# KiCad board MainPCB.kicad_pcb (continued)
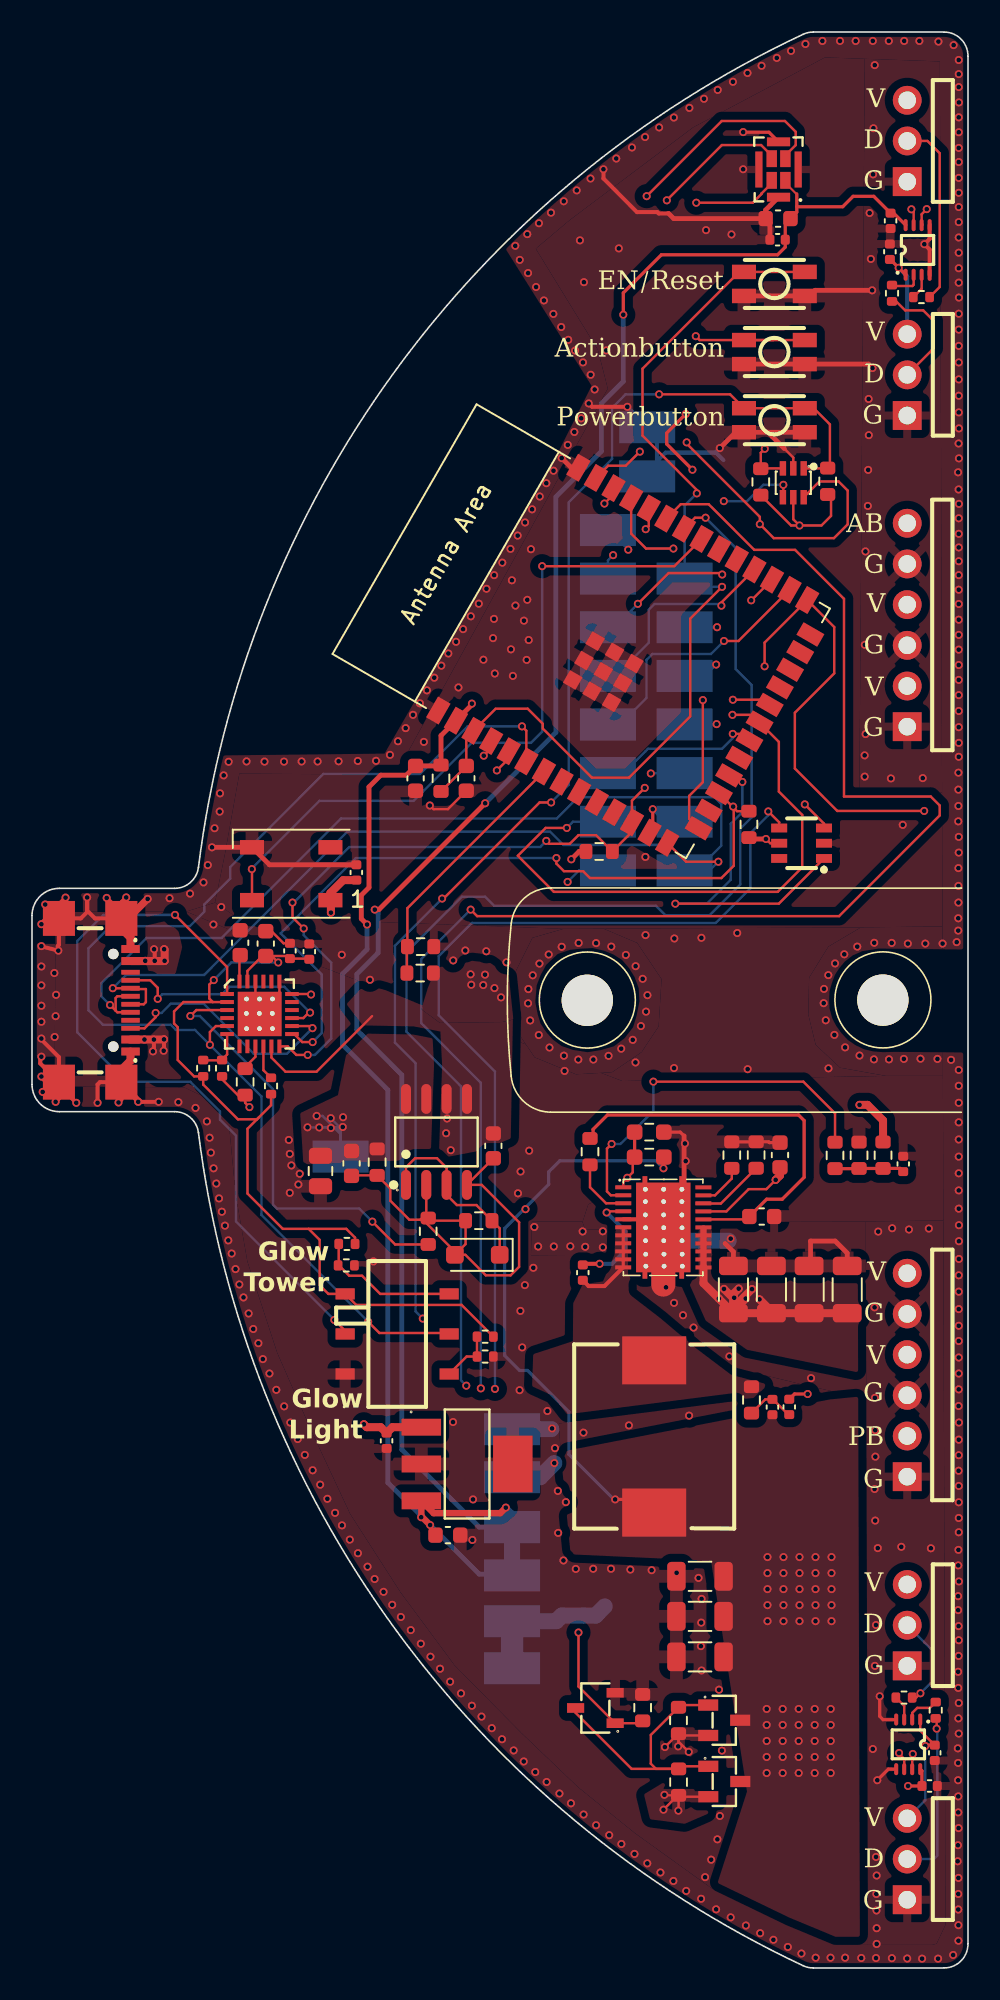
[diagram p0: board, top side]
## Routing (per net, layer and track width the routed paths; a pad name or vN(x,y) marks a point on that pad's centre or on a via; arc(x,y) is an arc through that point) (continued)
GND: length 164.8
  Top w0.15: 14.61,64.73 14.96,64.73 15.72,63.97 C6.1 ; 46.27,95.59 47.57,94.29 U15.2 ; C19.1 23.97,73.11 ; IC1.25 15.46,60.93 IC1.19 ; v1(13.59,53.74) 13.32,54.01 R1.2 12.87,54.49 11.88,55.48 R8.2 ; IC1.22 13.96,60.75 IC1.25 ; C25.1 25.99,72.34 25.09,72.34 v1(24.86,72.57)
  Top w0.2: 40.75,51.94 40.51,52.18 R32.2 ; U7.7 46.05,114.6 44.45,114.6 v1(44.44,114.61) ; 40.75,48.61 U6.23 ; 57.91,50.7 57.96,50.65 ; R38.1 45.24,51.57 R18.1 46.03,51.58 46.08,51.53 46.74,51.53 ; v1(52.82,11.72) 53.51,12.41 U14.5 ; v1(52.97,16.96) 52.97,15.71 53.18,15.5 53.99,15.5 U14.4 ; 39.45,42.66 v1(39.62,42.49)
  Top w0.25: U5.13 6.81,54.07 v1(7.92,54.07) ; U5.13 5.58,54.21 v1(5.41,54.03) ; U5.13 4.25,55.3 4.1,55.15 v1(4.1,54.01) ; U5.13 5.58,55.12 v1(6.64,54.07) ; 0.54,55.65 0.89,55.3 U5.14 ; v1(34.79,97.67) 35,97.46 v1(37.2,97.46) ; U24.4 56.09,107.28 v1(55.76,107.61) 56.09,107.94 U24.5 ; U5.15 1.68,66.41 v1(2.1,66.82) ; U5.15 0.89,65.52 0.53,65.16 ; U5.15 3.05,65.52 3.45,65.92 v1(3.45,66.83) 3.45,66.01 3.94,65.52 U5.16 ; U5.15 1.68,63.87 1.61,63.79 v1(1.65,63.51) 0.53,63.79 ; U5.15 1.6,65.52 0.73,66.39 ; v1(5.89,66.83) 5.58,66.53 U5.16 ; 0.52,56.89 0.52,56.47 U5.14 ; v1(2.77,54.01) 1.68,55.09 U5.14 ; U6.5 38.94,46.74 U6.23 ; U5.14 1.28,55.3 v1(0.67,54.69) ; U5.14 1.68,54.28 v1(1.48,54.07) ; U5.14 1.68,56.86 0.53,58.02 ; 39.78,109.53 39.16,109.53 39.07,109.62 37.8,109.62 35.71,111.71 v1(35.71,112.29) ; U5.16 6.01,65.52 ; U5.16 5.58,65.88 v1(4.67,66.8)
  Top w0.3: C14.2 43.83,44.71 43.31,45.23 ; 47.01,94.85 45.99,95.87 ; C17.2 48.65,43.92 48.65,45.38 50.19,45.38 50.94,44.63 C12.2 ; C26.1 46.11,108.95 C27.1 ; v1(52.52,99.88) 52.27,100.13 SW2.1 SW2.1 ; U7.5 45.84,109.74 C27.1 ; C27.1 40.1,109.21 39.78,109.53 ; C30.1 14.84,68.87 D2.3 v1(11.25,69.96) ; v1(42.98,94.88) 43.97,95.87 SW1.1 45.99,95.87 ; SW4.1 SW4.1 48.59,104.38 48.94,104.73 v1(52.5,104.73) ; 45.99,95.87 SW1.1 ; 40.75,48.61 40.75,50.27 v1(40.85,50.37) 40.75,50.47 40.75,51.94 ; v1(33.1,94.26) 33.7,93.65 U23.40
  Top w0.45: 6.01,65.52 v1(7.23,66.74)
  Top w0.5: U5.12 6.16,56.64 5.58,56.07 U5.13 ; U5.16 5.58,64.89 6.16,64.32 U5.1
  Top w1.5: U6.23 39.45,42.66
  In2.Cu w0.15: v1(10.93,52.85) 10.93,53.1 11.57,53.74 v1(13.59,53.74)
  Bottom w0.2: 32.45,33.64 v1(32.5,33.68)
  Bottom w0.25: 39.92,94.6 39.59,94.6 38.44,93.45 P6.1 39.05,93.72 39.05,95.51 38.44,96.12 38.44,96.22 v1(37.2,97.46) ; 39.92,94.6 42.7,94.6 v1(42.98,94.88) ; 39.92,94.6 42.73,94.6 43.2,94.13 ; v1(43.66,45.53) 43.53,45.4
  Bottom w1: P3.1 32.45,33.64 ; v1(32.64,31.52) 31.75,30.64 P4.1 ; 43.53,45.4 U6.23
  vias: v1(0.59,65.16) v1(0.59,63.79) v1(0.59,62.52) v1(0.59,61.34) v1(0.59,60.07) v1(0.59,59.07) v1(0.59,58.02) v1(0.59,56.89) v1(0.59,55.65) v1(0.83,66.39) v1(1.4,62.11) v1(1.42,58.12) v1(1.51,60.75) v1(1.48,59.42) v1(8.6,66.78) v1(9.15,54.05) v1(9.88,67.07) v1(10.22,53.69) v1(10.72,67.77) v1(10.99,68.85) v1(11.1,51.83) v1(11.18,50.9) v1(11.41,71.15) v1(11.34,65.14) v1(11.35,49.92) v1(11.52,48.97) v1(11.73,72.19) v1(11.69,48.04) v1(11.75,73.33) v1(11.83,66.23) v1(11.87,47.21) v1(11.98,74.45) v1(12.06,46.34) v1(12.29,75.3) v1(12.27,45.42) v1(12.48,44.6) v1(12.72,43.63) v1(12.96,42.67) v1(13.22,41.86) v1(13.41,75.32) v1(13.54,40.86) v1(13.83,39.89) v1(14.15,39) v1(14.43,38.01) v1(14.53,75.31) v1(14.84,37.11) v1(15.27,36.09) v1(15.75,75.31) v1(15.76,35.06) v1(16.05,51.69) v1(16.11,50.82) v1(16.11,48.39) v1(16.21,50.1) v1(16.14,34.05) v1(16.61,33.02) v1(16.73,49.58) v1(16.65,48.91) v1(16.85,75.32) v1(17.05,32.03) v1(17.54,31.07) v1(17.85,75.32) v1(18.01,30.17) v1(18.46,29.29) v1(18.94,28.41) v1(19.16,75.33) v1(19.36,63.25) v1(19.37,27.63) v1(19.86,26.74) v1(20.36,75.35) v1(20.37,25.89) v1(20.97,25.05) v1(21.12,61.69) v1(21.34,44.11) v1(21.41,24.28) v1(21.5,75.36) v1(21.97,23.48) v1(22.37,75.73) v1(22.51,22.67) v1(22.87,76.58) v1(23.05,21.91) v1(23.35,77.4) v1(23.67,21.09) v1(23.81,78.23) v1(24.24,78.95) v1(24.3,20.24) v1(24.49,76.54) v1(24.68,79.76) v1(24.9,19.43) v1(25.14,80.55) v1(25.5,18.68) v1(25.58,81.3) v1(26.02,82.06) v1(26.13,17.87) v1(26.32,62.9) v1(26.31,34.08) v1(26.5,82.79) v1(26.65,79.94) v1(26.81,17.14) v1(26.94,83.58) v1(27.08,63.52) v1(27.42,84.38) v1(27.52,26.72) v1(27.49,16.37) v1(27.56,29.25) v1(27.92,85.17) v1(28.09,15.69) v1(28.21,81.67) v1(28.4,86.1) v1(28.39,63.47) v1(28.73,14.97) v1(28.81,83.02) v1(28.88,86.95) v1(28.87,84.22) v1(28.92,80.81) v1(29.39,87.73) v1(29.37,14.28) v1(29.65,62.78) v1(29.9,88.59) v1(29.93,82.32) v1(29.99,86.63) v1(30.05,80.66) v1(30.1,13.58) v1(30.2,107.51) v1(30.21,85.05) v1(30.35,89.42) v1(30.37,48.36) v1(30.48,106.63) v1(30.53,49.72) v1(30.52,41.02) v1(30.47,36.07) v1(30.63,38.74) v1(30.73,12.89) v1(30.81,90.24) v1(30.74,84.11) v1(30.8,42.63) v1(30.91,81.66) v1(30.95,108.24) v1(31,105.81) v1(30.95,85.41) v1(31.04,82.9) v1(31.02,61.11) v1(31,60.22) v1(31.13,59.15) v1(31.07,51.02) v1(31.18,88.57) v1(31.25,91.06) v1(31.29,61.97) v1(31.33,43.71) v1(31.39,46.26) v1(31.5,104.94) v1(31.45,12.23) v1(31.63,45.04) v1(31.68,108.92) v1(31.73,91.86) v1(31.71,62.7) v1(31.67,58.24) v1(31.99,104.1) v1(32.14,92.69) v1(32.21,34.77) v1(32.16,11.61) v1(32.29,63.27) v1(32.43,109.58) v1(32.34,57.46) v1(32.58,103.26) v1(32.59,93.47) v1(32.61,45.04) v1(32.68,32.45) v1(32.86,29.78) v1(32.88,27.16) v1(32.96,10.89) v1(33.07,102.44) v1(33.1,63.75) v1(33.23,110.29) v1(33.21,25.44) v1(33.24,56.95) v1(33.28,56) v1(33.36,29.08) v1(33.51,101.64) v1(33.48,95.08) v1(33.64,45.05) v1(33.68,10.28) v1(33.94,100.97) v1(33.89,95.89) v1(34.04,110.97) v1(33.98,24.91) v1(34.14,56.71) v1(34.16,63.99) v1(34.24,107.85) v1(34.32,96.74) v1(34.43,100.23) v1(34.41,45.98) v1(34.49,105.24) v1(34.46,33.42) v1(34.47,9.58) v1(34.57,45.02) v1(34.9,111.71) v1(34.91,99.46) v1(35.08,56.71) v1(35.07,24.92) v1(35.16,98.54) v1(35.25,63.98) v1(35.25,8.91) v1(35.67,45.99) v1(35.67,44.99) v1(35.89,100.98) v1(36.03,56.94) v1(36.07,8.29) v1(36.2,63.76) v1(36.18,24.92) v1(36.51,112.96) v1(36.67,107.35) v1(36.82,57.39) v1(36.83,7.74) v1(37.11,63.24) v1(37.3,33.87) v1(37.39,24.87) v1(37.49,113.65) v1(37.54,57.94) v1(37.72,62.54) v1(37.71,56.53) v1(37.65,7.12) v1(38.05,58.8) v1(38.16,61.75) v1(38.31,114.3) v1(38.33,69.36) v1(38.34,64.48) v1(38.37,59.7) v1(38.46,60.73) v1(38.45,6.53) v1(38.72,24.83) v1(39.19,114.9) v1(39.27,5.96) v1(40.11,115.52) v1(40.14,64.27) v1(40.12,56.18) v1(40.12,41.52) v1(40.08,5.43) v1(40.28,24.67) v1(40.68,40.75) v1(40.8,51.47) v1(40.88,4.81) v1(41.08,116.12) v1(41.06,34.48) v1(41.34,39.98) v1(41.65,24.35) v1(41.83,64.31) v1(41.82,21.56) v1(41.8,20.09) v1(41.81,4.32) v1(41.84,23.04) v1(41.84,18.57) v1(41.99,116.69) v1(42.12,108.49) v1(42.06,5.67) v1(42.44,6.76) v1(42.83,8.03) v1(42.75,3.66) v1(42.85,117.24) v1(42.93,17.37) v1(42.98,9.49) v1(43.11,13.57) v1(43.58,38.18) v1(43.71,108.22) v1(43.66,3.16) v1(43.8,117.75) v1(44.07,64.61) v1(44.44,112.29) v1(44.61,2.65) v1(44.71,118.3) v1(44.72,56.11) v1(45.5,2.17) v1(45.59,118.75) v1(46.33,1.76) v1(46.54,119.24) v1(47.23,1.31) v1(47.43,119.68) v1(48.08,0.9) v1(48.33,120.11) v1(48.68,36.82) v1(48.97,0.64) v1(49.39,120.3) v1(49.49,61.12) v1(49.47,60.23) v1(49.6,59.16) v1(49.76,61.98) v1(49.77,56.16) v1(49.9,0.64) v1(50.14,58.25) v1(50.18,62.71) v1(50.49,120.3) v1(50.76,63.28) v1(50.81,57.47) v1(50.81,0.64) v1(51.47,120.3) v1(51.57,63.76) v1(51.71,56.96) v1(51.82,0.62) v1(52.04,82.6) v1(52.03,75.7) v1(52.03,74.37) v1(52.08,88.43) v1(52.09,77.03) v1(52.23,91.27) v1(52.28,97.95) v1(52.29,95.69) v1(52.25,93.52) v1(52.34,109.56) v1(52.42,106.69) v1(52.54,120.3) v1(52.54,13.67) v1(52.58,114.85) v1(52.56,111.97) v1(52.63,64) v1(52.61,56.72) v1(52.66,118.79) v1(52.65,41.24) v1(52.67,35.59) v1(52.69,33.57) v1(52.7,31.92) v1(52.65,29.9) v1(52.69,27.93) v1(52.67,18.86) v1(52.74,21.41) v1(52.74,6.93) v1(52.78,5.77) v1(52.76,4.62) v1(52.77,3.59) v1(52.78,2.48) v1(52.78,1.5) v1(52.74,0.62) v1(52.88,45.97) v1(52.85,26.21) v1(53.54,120.3) v1(53.55,56.72) v1(53.67,74.26) v1(53.72,63.99) v1(53.73,0.61) v1(53.75,46.18) v1(54.32,26.29) v1(54.41,71.36) v1(54.5,120.3) v1(54.48,56.75) v1(54.73,63.95) v1(54.69,0.59) v1(54.8,46.1) v1(55.45,120.3) v1(55.52,56.76) v1(55.62,0.58) v1(55.66,74.28) v1(55.82,63.95) v1(56.04,46.16) v1(56.17,26.2) v1(56.64,120.26) v1(56.58,56.75) v1(56.62,0.58) v1(56.9,63.95) v1(57.43,56.69) v1(57.59,120.04) v1(57.56,0.81) v1(57.78,64.04) v1(57.91,119.11) v1(57.91,118.23) v1(57.91,117.42) v1(57.92,116.46) v1(57.91,115.53) v1(57.91,114.6) v1(57.91,113.62) v1(57.91,112.74) v1(57.91,111.75) v1(57.91,110.82) v1(57.91,109.93) v1(57.91,108.99) v1(57.91,108.03) v1(57.91,107.08) v1(57.91,106.11) v1(57.91,105.21) v1(57.92,104.28) v1(57.91,103.27) v1(57.91,102.28) v1(57.91,101.26) v1(57.91,100.23) v1(57.91,99.17) v1(57.91,98.15) v1(57.91,97.11) v1(57.92,96.11) v1(57.9,95.17) v1(57.92,94.24) v1(57.87,93.37) v1(57.9,92.3) v1(57.92,91.4) v1(57.91,90.5) v1(57.91,89.53) v1(57.91,88.68) v1(57.91,87.82) v1(57.91,86.95) v1(57.91,86.04) v1(57.91,85.15) v1(57.91,84.17) v1(57.91,83.22) v1(57.91,82.3) v1(57.91,81.34) v1(57.91,80.41) v1(57.91,79.46) v1(57.91,78.47) v1(57.91,77.46) v1(57.91,76.48) v1(57.91,75.61) v1(57.89,74.62) v1(57.89,73.56) v1(57.89,72.54) v1(57.88,71.58) v1(57.91,70.61) v1(57.91,69.63) v1(57.89,68.66) v1(57.89,67.55) v1(57.89,66.51) v1(57.88,65.53) v1(57.88,64.76) v1(57.91,56.06) v1(57.91,55.07) v1(57.91,54.01) v1(57.91,52.79) v1(57.91,51.72) v1(57.91,50.65) v1(57.91,49.61) v1(57.91,48.54) v1(57.91,47.4) v1(57.92,46.37) v1(57.92,45.37) v1(57.92,44.26) v1(57.91,43.24) v1(57.91,42.22) v1(57.91,41.13) v1(57.91,40.09) v1(57.91,39.14) v1(57.91,38.11) v1(57.91,37.11) v1(57.91,36.12) v1(57.9,35.08) v1(57.92,34.05) v1(57.91,32.98) v1(57.91,32.01) v1(57.9,31.04) v1(57.91,30.09) v1(57.91,29.07) v1(57.91,28.09) v1(57.91,27.2) v1(57.89,26.1) v1(57.88,25.13) v1(57.92,24.13) v1(57.87,23.21) v1(57.87,22.34) v1(57.9,21.34) v1(57.91,20.46) v1(57.9,19.48) v1(57.87,18.49) v1(57.88,17.48) v1(57.91,16.54) v1(57.89,15.58) v1(57.91,14.63) v1(57.85,13.71) v1(57.87,12.8) v1(57.87,11.72) v1(57.88,10.71) v1(57.88,9.71) v1(57.9,8.73) v1(57.86,7.66) v1(57.84,6.66) v1(57.89,5.62) v1(57.88,4.62) v1(57.88,3.65) v1(57.89,2.67) v1(57.89,1.7)
IO2/VBUS TO 5V MOSFET: length 37.2
  Top w0.15: v1(35.77,91.42) 36.34,91.99 U23.38 ; U1.3 49.49,71.44 v1(48.29,72.64)
  In2.Cu w0.15: v1(48.29,72.64) 47.14,71.49 41.82,71.49 40.44,70.11 37.91,70.11 35.26,72.76 35.26,90.91 v1(35.77,91.42)
IO10/VBUS to 5V LETCH: length 21.9
  Top w0.15: U1.1 46.66,66.44 v1(40.2,66.44) ; U23.18 43.98,74.45 v1(44.39,74.04)
  Bottom w0.15: v1(44.39,74.04) 44.39,72.16 43.66,71.43 43.66,67.93 42.17,66.44 v1(40.2,66.44)
VBUS: length 48.7
  Top w0.15: v1(19.42,52.5) 19.42,52.62 ; IC1.18 17.4,60.8 v1(17.44,60.77) ; v1(17.79,53.19) 17.93,53.19
  Top w0.25: v1(7.56,57.22) 7.62,57.28 v1(7.62,57.96) U5.11 v1(7.03,57.96) ; v1(7.08,62.87) 7.06,62.86 U5.2 7.65,62.86 v1(7.67,62.87) 7.67,63.56 v1(7.63,63.6) ; 8.25,57.95 v1(8.25,57.97) 8.25,57.28 v1(8.23,57.26)
  Top w0.5: U3.1 22.53,33.76 C8.2 21.79,33.76 20.92,33.76 v1(20.74,33.94) ; U5.11 8.24,57.96 v1(8.25,57.97) ; U5.2 8.27,62.86 v1(8.29,62.87) 8.29,63.57 v1(8.26,63.6)
  In2.Cu w0.5: v1(20.74,33.94) 20.74,35.13 17.08,38.79 17.08,44.21 21.03,48.16
  Bottom w0.15: v1(18.67,53.05) 19.28,52.43 P35.1 ; v1(17.95,52.47) 18.88,52.47 19.28,52.06 ; 19.28,52.06 18.16,53.19 v1(17.79,53.19) ; 19.28,52.06 P35.1 ; P35.1 19.28,52.22 ; P35.1 19.28,52.37 v1(19.42,52.5) ; 19.28,52.22 19.02,52.48 v1(17.22,52.48) ; 19.28,52.22 19.06,52.44 v1(18.68,52.44)
  vias: v1(19.44,53.11)
ACTIONBUTTON_EXTERNAL: length 84.4
  Top w0.15: U15.3 45.56,93.62 R29.2 45.54,94.59 v1(45.79,94.84) ; SW2.2 46.32,101.63 ; 46.32,101.63 SW2.2 ; 46.32,101.63 41.72,101.63 v1(41.48,101.87) ; v1(45.78,81.26) 45.78,82.74 U23.27 50.13,83.71 50.13,80.82 47.67,78.36 47.67,74.88 50.32,72.23 v1(55.75,72.23)
  In2.Cu w0.15: v1(55.75,72.23) 54.69,73.29 54.69,74.54 52.95,76.28 52.95,88.45 U21.6 ; v1(41.48,101.87) 45.79,97.56 v1(45.79,94.84) 47.45,94.84 49.5,92.79 49.5,84.98 v1(45.78,81.26)
EN: length 61.2
  Top w0.15: SW4.2 SW4.2 44.19,105.88 38.15,99.84 38.15,95.66 41.54,92.27 v1(41.54,92.06) ; R30.2 27.14,75.03 C25.2 27.14,76.78 U23.3 28.97,78.61 30.98,78.61 31.92,77.67 31.92,77.37 34.98,74.31 37.31,74.31 41.13,78.13 41.13,84.23 v1(43.12,86.22)
  Bottom w0.15: v1(41.54,92.06) 40.78,91.29 P30.1 41.29,86.22 v1(43.12,86.22)
IO1/POWERBUTTON: length 38.5
  Top w0.15: v1(37.98,94.66) 37.1,93.78 36,93.78 U23.39 ; U15.6 49.2,92.8 50.4,92.8 50.97,92.23 50.97,90.12 50.11,89.26 46.35,89.26 v1(45.48,90.13) 45.48,90.59 40.91,95.16 v1(40.91,95.24)
  In2.Cu w0.15: v1(45.48,90.13) 45.48,89.77 46.69,88.56 46.69,85.31 v1(42.75,81.37) ; v1(40.91,95.24) 40.86,95.29 38.61,95.29 v1(37.98,94.66)
  Bottom w0.15: v1(42.75,81.37) 42.04,80.66 P32.1
IO3/ACTIONBUTTON: length 31.6
  Top w0.15: v1(46.95,92.59) 46.95,91.84 U15.4 ; U23.15 41.06,71.74 41.06,73.17 41.92,74.03 v1(41.92,79.15)
  In2.Cu w0.15: v1(43.23,91.57) 43.23,90.8 45.93,88.1 45.93,85.44 44.19,83.7 v1(42.81,83.7) 41.88,82.77 41.88,79.19 v1(41.92,79.15)
  Bottom w0.15: P31.1 42.8,83.7 v1(42.81,83.7) ; v1(43.23,91.57) 44.67,91.57 45.69,92.59 v1(46.95,92.59)
IO4/LED3: length 74.7
  Top w0.15: U24.7 55.09,109.65 v1(54.95,109.79) ; U23.4 28.69,76.14 v1(28.23,75.68)
  In2.Cu w0.15: v1(28.23,75.68) 30.07,75.68 30.88,74.87 30.88,69.25 33,67.13 46.17,67.13 50.22,71.18 50.22,107.58 51.01,108.37 53.53,108.37 v1(54.95,109.79)
IO5/LED4: length 76.2
  Top w0.15: v1(55.91,109.8) 55.59,109.48 U24.6 ; U23.5 29.79,75.5 v1(29.05,74.76)
  Top w0.2: U24.6 55.61,108.83
  In2.Cu w0.15: v1(55.91,109.8) 53.54,107.43 51.45,107.43 50.99,106.97 50.99,70.45 45.85,65.31 33.53,65.31 29.88,68.96 29.88,73.93 v1(29.05,74.76)
IO6/USB PD AMPS DETECTION: length 76.9
  Top w0.15: v1(30.62,77.51) 30.89,77.24 U23.6 ; SW3.5 26.01,39.64 21.71,39.64 v1(21.01,40.34) ; v1(11.12,57.63) 11.12,58.43 11.49,58.8 IC1.5
  Bottom w0.15: v1(21.01,40.34) 14.34,47.01 14.34,54.41 v1(11.12,57.63) 10.19,58.56 8.99,58.56 8.67,58.88 4.44,58.88 3.53,59.79 3.53,63.65 4.92,65.04 9.87,65.04 10.77,65.94 10.77,66.39 12.39,68.01 12.39,68.73 18.2,74.54 24.25,74.54 27.22,77.51 v1(30.62,77.51)
IO7/USB PD VOLTS DETECTION: length 16.1
  Top w0.15: R5.2 23.43,63.73 R17.1 23.46,66.16 U23.7
IO8/I2C SDA: length 57.7
  Top w0.15: v1(38.29,73.67) 37.49,72.87 U23.12 37.49,70.93 R3.2 35.24,70.72 34.15,70.72 33.61,70.18 32.31,70.18 v1(32.13,70.36) ; v1(17.23,57) 16.52,57 15.98,57.53 IC1.12 ; v1(16.98,64.89) 16.28,65.59 v1(16.28,66.51)
  In2.Cu w0.15: v1(38.29,73.67) 37.08,74.88 37.08,88.36 v1(37.26,88.54)
  Bottom w0.15: v1(17.23,57) 17.68,57 18.7,58.02 18.7,62.76 16.98,64.48 v1(16.98,64.89) ; P8.1 36.03,89.77 v1(37.26,88.54) ; v1(16.28,66.51) 16.36,66.51 19.83,69.98 31.75,69.98 v1(32.13,70.36)
IO9/I2C SCL: length 72.3
  Top w0.15: 43.85,72.42 44.05,72.22 R4.2 ; 43.85,72.42 U23.17 ; 43.85,72.42 43.85,68.81 43.08,68.04 34.87,68.04 34.44,68.47 33.24,68.47 32.77,68.94 v1(32.77,69.29) ; v1(17.54,57.8) 16.89,57.8 16.38,58.3 IC1.13
  In2.Cu w0.15: v1(36.31,88.2) 36.4,88.12 36.4,73.28 38.55,71.13 39.61,71.13 40.98,72.5 v1(43.81,72.5)
  Bottom w0.15: v1(17.54,57.8) 18.1,58.37 18.1,62.03 15.54,64.59 20.24,69.29 v1(32.77,69.29) ; v1(36.31,88.2) 35.99,87.88 P9.1
IO12/I2S WS: length 66.9
  Top w0.15: U23.20 44.43,77.04 v1(43.79,77.04) ; v1(38.41,110.61) 43.1,115.3 47.05,115.3 47.72,114.63 47.72,113.8 47.07,113.15 U7.2
  In2.Cu w0.15: v1(38.41,110.61) 38.47,110.55 38.47,100.86 41.83,97.5 41.83,96.39 41.53,96.09 38.08,96.09 36.92,94.93 36.92,92.77 39.34,90.35 39.34,87.31 39.87,86.78 39.87,78.61 41.44,77.04 v1(43.79,77.04)
  Bottom w0.15: v1(43.79,77.04) 43.79,76.78 43.12,76.11 38.49,76.11 36.97,74.59 P18.1
IO13/I2S SCK: length 88.4
  Top w0.15: v1(33.42,71.17) 32.1,71.17 30.36,69.43 32.61,67.18 46.6,67.18 48.13,68.71 48.13,71.98 46.67,73.44 46.67,76.54 U23.21 44.98,78.23 v1(43.77,78.23) ; U7.3 46.22,113.13 45.56,113.8 43.1,113.8 39.67,110.36 v1(39.67,110.35)
  In2.Cu w0.15: v1(43.77,78.23) 42.53,79.46 42.53,80.12 47.75,85.33 47.75,89.17 44.06,92.85 40.74,92.85 40.52,93.07 40.52,93.8 42.87,96.15 42.87,97.77 39.67,100.97 v1(39.67,110.35)
  Bottom w0.15: P19.1 33.8,71.56 v1(33.42,71.17)
IO14/I2S SD: length 76.3
  Top w0.15: U23.22 45.77,79.17 v1(43.79,79.17) ; U7.4 46.22,111.42 45.57,110.77 45.57,110.74 45.04,110.2 v1(41.51,110.2)
  In2.Cu w0.15: v1(41.51,110.2) 40.72,109.41 40.72,101.44 43.74,98.42 43.74,95.74 45.45,94.02 47.05,94.02 48.76,92.32 48.76,85.39 43.79,80.43 v1(43.79,79.17) 45.55,79.17 49.09,75.64 49.09,71.63 45.33,67.87 33.54,67.87 v1(33.47,67.8)
  Bottom w0.15: P20.1 34.19,68.52 v1(33.47,67.8)
IO19/USB D-: length 48.5
  Top w0.15: v1(5.05,61.16) 5.05,61.16 U5.5 6.21,61.11 7.12,61.11 7.12,60.3 6.98,60.16 U5.7
  Top w0.2: U23.13 38.79,71.08 v1(38.79,72.34)
  Bottom w0.15: P21.1 39.33,70.11 33.2,70.11 32.37,70.94 19.7,70.94 10.76,61.99 5.87,61.99 v1(5.05,61.16)
  Bottom w0.2: P21.1 39.57,71.56 v1(38.79,72.34)
IO20/USB D+: length 60.1
  Top w0.15: U23.14 40.87,69.06 v1(42.89,69.06) ; U5.6 5.33,60.66 5.23,60.55 5.23,59.77 ; 5.23,59.77 v1(4.88,60.12) ; 5.23,59.77 5.33,59.66 U5.8
  Bottom w0.15: v1(4.88,60.12) 4.33,60.66 4.33,61.48 7.16,64.3 11.85,64.3 19.31,71.76 32.79,71.76 34.12,73.09 42.64,73.09 43.07,72.67 43.07,70.06 41.53,68.52 P22.1 42.35,68.52 v1(42.89,69.06)
IO35/SPI MO: length 16.2
  Top w0.15: v1(43.24,82.84) 44.14,82.84 U23.28
  Bottom w0.15: P27.1 36.74,77.63 38.4,79.29 38.4,81.66 38.77,82.03 42.43,82.03 v1(43.24,82.84)
IO36/SPI SCK: length 12.9
  Top w0.15: v1(37.86,85.16) 39.78,87.08 43.04,87.08 v1(43.13,86.99) ; v1(44.94,85.38) 44.95,85.38 U23.29
  In2.Cu w0.15: v1(44.94,85.38) 43.33,86.99 v1(43.13,86.99)
  Bottom w0.15: v1(37.86,85.16) 36.39,83.7 P25.1
IO37/SPI MI: length 13.3
  Top w0.15: v1(43.08,85.05) 43.08,85.24 U23.30
  Bottom w0.15: P26.1 36.47,80.66 38.54,82.73 38.54,84.79 38.9,85.15 42.97,85.15 v1(43.08,85.05)
IO40/STATUS LED DATA: length 44.7
  Top w0.15: U23.33 40.14,87.51 v1(31.88,87.51) ; v1(13.74,68.6) 13.75,68.59 D2.4
  Bottom w0.15: v1(13.74,68.6) 13.74,68.64 17.96,72.86 23.85,72.86 27.47,76.48 31.18,76.48 31.88,77.18 v1(31.88,87.51)
IO41/LED2: length 123.1
  Top w0.15: v1(54.18,13.42) 54.18,13.37 54.5,13.05 U14.6 ; v1(42.09,90.53) 41.43,90.53 U23.34
  In2.Cu w0.15: v1(27.14,36.35) 27.14,33.87 33.05,27.96 49.51,27.96 51.04,26.43 51.04,16.56 v1(54.18,13.42)
  Bottom w0.15: v1(42.09,90.53) 43.97,88.65 43.97,81.09 44.97,80.09 44.97,71.83 44.26,71.12 44.26,67.64 42.34,65.72 39.58,65.72 38.99,66.31 28.88,66.31 28.32,66.87 26.86,66.87 23.4,63.41 23.4,58.45 26.81,55.04 26.81,36.68 v1(27.14,36.35)
IO42/LED1: length 142.4
  Top w0.15: v1(27.41,66.07) 27.81,65.66 50.43,65.66 56.72,71.95 56.72,72.57 56.16,73.13 50.74,73.13 50.74,85.47 47.68,88.53 45.13,88.53 42.28,91.38 40.54,91.38 U23.35 ; v1(55.04,13.36) 55,13.32 U14.7
  In2.Cu w0.15: v1(28.04,36.18) 28.04,34.23 31.66,30.62 47.91,30.62 51.89,26.64 51.89,16.66 55.04,13.51 v1(55.04,13.36)
  Bottom w0.15: v1(27.41,66.07) 24.32,62.98 24.32,58.99 28.04,55.26 v1(28.04,36.18)
LED1 DATA OUT: length 10.6
  Top w0.15: R26.2 56.53,15.52 v1(56.53,14.94)
  Bottom w0.15: U16.2 56.35,6.8 56.57,7.01 56.57,14.9 v1(56.53,14.94)
LED2 DATA OUT: length 5.9
  Top w0.15: R27.2 55.24,16.88 v1(55.51,17.15)
  Bottom w0.15: v1(55.51,17.15) 56.31,17.94 56.31,19.78 U17.2
LED3 DATA OUT: length 7.2
  Top w0.15: U18.2 56.35,101.12 56.35,102.82 55.69,103.48 54.56,103.48 54,104.04 R24.2
LED4 DATA OUT: length 11.6
  Top w0.15: U19.2 55.95,114.06 56.72,113.29 56.72,104.94 R25.2
POWERBUTTON_EXTERNAL: length 116.4
  Top w0.15: v1(32.44,72.76) 31.72,72.76 25.72,66.76 v1(25.63,66.76) ; v1(39.19,98.24) 43.62,98.24 SW1.2 SW1.2 48.84,97.37 49.86,96.36 49.86,93.78 R28.1 49.7,93.62 U15.1
  In2.Cu w0.15: U22.2 54.23,32.75 39.63,32.75 32.49,39.89 25.07,39.89 v1(24.42,40.54)
  Bottom w0.15: v1(25.63,66.76) 22.68,63.81 22.68,57.77 23.97,56.48 23.97,40.99 v1(24.42,40.54) ; v1(32.44,72.76) 33.54,73.86 33.54,91.5 36.25,94.21 36.25,97.4 37.09,98.24 v1(39.19,98.24)
RXD0: length 19
  Top w0.15: U23.36 38.54,90.01 v1(38.35,89.82)
  In2.Cu w0.15: v1(38.67,74.57) 38.83,74.73 38.83,89.34 v1(38.35,89.82)
  Bottom w0.15: v1(38.67,74.57) 38.69,74.59 P29.1
STEPDOWN_EN: length 23.6
  Top w0.15: v1(38.83,55.33) 48.2,55.33 50.18,53.35 R46.1 ; U6.2 36.17,48.24 35.93,48.48 35.93,51.15 v1(36.22,51.44)
  Top w0.2: R46.1 50.25,51.62
  Bottom w0.15: v1(36.22,51.44) 36.77,51.44 38.83,53.5 v1(38.83,55.33)
STEPDOWN_PGOOD: length 3.9
  Top w0.15: U6.3 35.87,47.74 34.87,48.74 R36.1
STEPDOWN_VFB: length 29
  Top w0.15: 36.94,49.08 U6.1 ; 36.94,49.08 37.54,49.67 37.54,50.5 R31.2 ; 36.94,49.08 v1(37.2,49.33)
  Top w0.2: C36.1 47.64,35.83 v1(48.47,35.83) ; R32.1 R31.2
  In2.Cu w0.2: v1(37.2,49.33) 37.2,37.81 39.18,35.83 v1(48.47,35.83)
STEPDOWN_VREG: length 25.3
  Top w0.15: U6.18 44.64,46.73 C15.2
  Top w0.2: R36.2 35.06,51.98 35.06,52.35 35.96,53.25 47.9,53.25 48.25,52.9 48.25,49.36 46.88,47.99 45.9,47.99 C15.2
TXD0: length 19.8
  Top w0.15: v1(40.08,88.61) 38.37,88.61 37.44,89.54 U23.37
  In2.Cu w0.15: v1(42.78,77.65) 41.91,77.65 41.1,78.46 41.1,87.59 v1(40.08,88.61)
  Bottom w0.15: v1(42.78,77.65) 42.75,77.63 P28.1
USB-C CC1: length 14.4
  Top w0.15: IC1.15 16.96,59.3 17.3,59.64 v1(17.38,59.64) ; U5.4 7.39,61.66 7.86,61.19 v1(7.86,60.5)
  Bottom w0.15: v1(17.38,59.64) 15.76,61.25 12.34,61.25 11.89,60.8 8.15,60.8 v1(7.86,60.5)
USB-C CC2: length 15.5
  Top w0.15: U5.10 7.03,58.66 7.73,59.35 v1(7.73,59.62) ; IC1.14 17.39,58.8 v1(17.53,58.67)
  Bottom w0.15: v1(17.53,58.67) 15.93,57.07 13.86,57.07 10.73,60.2 8.68,60.2 8.1,59.62 v1(7.73,59.62)
USB_PD_IC 3.3V: length 56.7
  Top w0.15: 14.15,53.07 14.94,53.86 R2.1 ; 14.15,53.07 14.06,52.98 12.87,52.98 10.7,55.15 R6.1 10.13,55.66 9.11,56.68 9.11,58.73 8.88,58.96 8.88,59.71 9.47,60.3 11.3,60.3 ; 14.15,53.07 13.47,52.39 13.47,48.35 15.67,46.14 17.29,46.14 ; C5.2 14.39,63.18 13.46,62.24 IC1.23 ; C5.2 14.98,63.18 v1(15.39,62.77) ; C5.2 15.95,63.18 C6.2 17.29,63.01 C7.2 ; 17.29,46.14 19.64,46.14 20.19,45.59 R13.1 ; 17.29,46.14 17.98,45.45 17.98,42.62 18.52,42.08 SW3.3 20.26,41.39 26.85,41.39 R39.1 ; IC1.2 11.3,60.3 ; 11.3,60.3 11.08,60.52 11.08,61.39 v1(11.36,61.67)
  Bottom w0.15: v1(15.39,62.77) 12.46,62.77 v1(11.36,61.67)
USB_PD_IC_FAULT: length 1.7
  Top w0.15: IC1.9 13.96,56.89 13.32,56.24 R1.1
USB_PD_IC_FET_GATE: length 30.3
  Top w0.15: D1.2 27.09,45.19 R12.1 24.92,46.65 R9.2 ; D1.2 27.08,44.52 28.36,43.24 29.91,43.24 30.44,43.77 30.44,46.55 28.1,48.89 U2.4 27.18,48.9 C4.2 ; D1.2 26.42,44.72 24.43,46.71 24.27,46.71 ; 24.27,46.71 23.58,46.71 22.39,47.9 22.39,48.66 R7.1 20,49.48 C2.2 ; 24.27,46.71 24.64,47.08 U2.2
USB_PD_IC_FET_SRC: length 11.6
  Top w0.15: U2.1 23.37,49.98 23.94,50.55 25.31,50.55 25.91,49.95 U2.3 25.91,48.27 26.55,47.63 27.76,47.63 R12.2 29.22,46.17 D1.1
USB_PD_IC_FLIP: length 2.2
  Top w0.15: R2.2 14.46,56.05 IC1.10
USB_PD_IC_ISNK_FINE: length 3
  Top w0.15: IC1.6 12.19,57.03 11.83,56.66 10.65,56.66 10.63,56.64
USB_PD_IC_VBUS_FET_EN: length 27.6
  Top w0.15: v1(21.27,46.59) 22.69,45.17 R9.1 ; IC1.3 10.27,59.8 v1(9.9,59.43)
  Bottom w0.15: 21.4,46.46 20.45,47.41 15.31,47.41 15.06,47.66 15.06,54.86 10.49,59.43 v1(9.9,59.43)
USB_PD_IC_VBUS_MIN: length 46.9
  Top w0.15: v1(8.94,65.74) 12.19,62.49 IC1.1 ; v1(18.89,40.46) 19.57,39.78 SW3.2
  Bottom w0.15: v1(8.94,65.74) 4.46,65.74 2.83,64.11 2.83,58.41 5.92,55.32 9.9,55.32 11.75,53.47 11.75,52.96 12.75,51.96 12.75,46.6 v1(18.89,40.46)
USB_PD_IC_VDC_OUT: length 49.9
  Top w0.15: R15.2 39.55,10.78 v1(39.52,10.81) ; R15.2 40.49,10.69 U4.2 ; R15.2 40.4,9.84 v1(40.39,9.82) ; R15.2 40.35,10.78 v1(39.46,9.88) ; U6.19 43.39,47.23 44.78,48.62 45.89,48.62 v1(46.47,49.2) ; v1(39.55,13.79) 40.38,14.63 R21.2 ; R21.2 40.4,13.85 v1(40.38,13.83) ; R21.2 40.4,14.13 v1(41.04,13.49) ; R21.2 40.51,14.51 U8.2 ; 21.25,59.42 17.78,55.95 15.84,55.95 14.96,56.83 IC1.11
  Top w0.4: U6.12 41.95,46.15
  Top w0.5: C16.1 46.2,41 v1(45.46,41.74) ; C16.1 C14.1 ; C16.1 C12.1 ; C14.1 v1(42.91,41.79) 41.95,42.75 U6.12 ; C14.1 43.83,42.08 v1(44.16,42.41) ; C14.1 43.83,41.22 v1(44.99,42.38) ; C14.1 43.83,41.5 ; C14.1 43.83,41.02 v1(44.6,41.79) ; R44.1 53.18,52.91 52.21,53.88 v1(51.71,53.88) ; C13.2 46.74,49.47 v1(46.47,49.2) ; 43.83,41.5 43.83,41.8 v1(43.24,42.39) ; 43.83,41.5 43.83,41.79 v1(43.88,41.84)
  vias: v1(25.94,53.03) v1(25.88,52.11) v1(26.17,51.05) v1(27.41,62.03) v1(27.45,61.38) v1(28.2,61.36) v1(28.31,62.01) v1(28.9,61.17) v1(29.31,60.59)
Net-(C35-Pad1): length 3.1
  Top w0.15: 47.22,34.55 47.22,34.58 46.3,35.5 C35.1 45.82,35.5 R22.1
  Top w0.2: C36.2 47.22,34.55
Net-(C37-Pad2): length 5.7
  Top w0.2: U6.6 36.94,43.74 U6.11
  Top w0.25: U6.11 35.77,42.57 34.78,42.57 C37.2
Net-(C38-Pad1): length 4.3
  Top w0.2: 54.44,49.72 54.24,49.92 R44.2 53.17,49.91 R45.1 51.67,49.9 R46.2
Net-(R13-Pad2): length 9
  Top w0.15: R13.2 19.17,43.9 ; 19.17,43.9 19.17,43.87 19.82,43.22 20.62,43.22 21.76,42.08 SW3.6 ; 19.17,43.9 R16.2
Net-(R39-Pad2): length 3.4
  Top w0.15: R39.2 R40.1 27.16,38.17 SW3.4
Net-(U1-Q): length 88.7
  Top w0.15: v1(46.01,72.2) 46.69,71.52 U1.4 ; R19.2 38.01,15.28 U12.1 34.15,17.57 v1(34.15,20.94)
  In2.Cu w0.15: v1(28.93,36.15) 28.93,36.72 28.2,37.45 26.93,37.45 25.46,35.98 25.46,33.59 29.16,29.89 29.91,29.89 31.3,28.5 31.3,23.79 v1(34.15,20.94)
  Bottom w0.15: v1(28.93,36.15) 28.93,55.96 25.42,59.47 25.42,63.17 27.49,65.24 42.73,65.24 44.89,67.4 44.89,70.84 46.01,71.96 v1(46.01,72.2)
Net-(U6-MODE): length 4.2
  Top w0.15: R18.2 43.04,47.72 41.96,47.72 U6.20
Net-(U6-TRIP): length 2.9
  Top w0.15: R38.2 43.73,49.28 42.68,48.23 U6.21
Net-(U6-VBST): length 7.1
  Top w0.15: U6.4 35.98,47.24 v1(35.9,47.16)
  Top w0.25: 35.57,43.89 35.5,43.96 v1(35.47,43.96) 34.49,43.96 C37.1
  Bottom w0.25: v1(35.47,43.96) 36.25,43.96 37.08,44.79 37.08,45.99 v1(35.9,47.16)
Net-(U12-D): length 18.1
  Top w0.15: U8.1 40.53,16.41 R21.1 38.67,14.55 38.67,12.75 38.99,12.43 R15.1 ; R15.1 37.47,12.43 33.97,15.93 U12.3 ; R15.1 40.56,12.59 U4.1
Net-(U14-A1): length 2.2
  Top w0.15: U14.2 55,15.92 55.31,16.24 56.1,16.24 R26.1
Net-(U14-A2): length 1.6
  Top w0.15: U14.3 54.5,16.36 R27.1
Net-(U24-A1): length 2
  Top w0.15: R24.1 53.79,105 55.01,105 55.09,105.08 U24.2
Net-(U24-A2): length 1.6
  Top w0.15: U24.3 55.59,104.83 R25.1

## Copper pours and planes (outline as drawn; the poured copper is in the pictures)
+5V on Top: 33.66,25.82 33.03,32.22 49.85,35.49 51.99,35.7 52.1,30.41 51.95,10.4 52.23,8.12 52.24,1.13 50.11,1.44 42.68,4.82 44.68,11.01 42.43,25.42
+5V on Bottom: 50.87,45.04 55.89,45.16 55.88,42.12 50.79,42.12
+5V on Bottom: 50.85,39.74 55.87,39.86 55.86,36.82 50.77,36.82
+5V on Bottom: 50.84,86.68 55.86,86.8 55.85,83.76 50.76,83.76
+5V on Bottom: 51.03,118.32 56.05,118.44 56.04,115.4 50.95,115.4
+5V on Bottom: 50.94,103.68 55.96,103.8 55.95,100.76 50.86,100.76
+5V on Bottom: 60,-1.64 32.26,-2.55 33.82,21.28 32.5,36.01 40.64,44.33 36.25,55.92 37.82,63.99 44.76,65.9 46.24,68.74 46.34,90.13 43.39,95.12 43.59,124.05 63.56,124.46
+5V on Bottom: 51.13,25.33 56.15,25.45 56.14,22.41 51.05,22.41
+5V on Bottom: 50.82,81.57 55.84,81.69 55.83,78.65 50.74,78.65
+5V on Bottom: 51,10.82 56.02,10.94 56.01,7.9 50.92,7.9
GND on Top: 36.39,46.58 31.24,46.61 31.18,44.49 36.4,44.53
GND on Top: 41.11,43.99 37.77,44.07 37.79,42.34 39.57,40.97 41.81,39.08 43.92,37.49 45.99,36.95 48.66,36.3 52.45,35.47 52.5,37 44.68,38.59 42.1,40.41 40.88,43.15 41.04,43.49
GND on Top: 36.39,46.58 35.74,46.87 35.78,47.56 35.92,47.76 35.62,48.1 34.76,47.67 34.4,46.56 34.57,46.11 36.04,46.1
GND on Top: 32.93,33.99 44.03,35.4 44.2,34.09 33.03,32.22
GND on Top: 11.44,66.51 12.75,65.62 33.21,64.87 51.79,64.96 53.35,55.69 36.89,55.37 15.57,63.46 9.64,65.95
GND on Top: 42.43,46.56 52.1,46.6 52.77,44.73 42.43,44.69
GND on Top, Bottom: 57.18,75.14 57.09,75.96 56.73,119.02 52.04,119.54 51.7,73.17 57.33,73.4
GND on Top, Bottom, In1.Cu, In2.Cu: 59.12,65.05 51.79,64.96 49.76,63.76 48.56,61.82 48.51,59.52 48.97,57.63 50.5,56.2 53.35,55.69 59.72,55.69
GND on Top, Bottom, In1.Cu, In2.Cu: -8.95,132.65 70.74,134.11 70.02,-8.91 -21.33,-6.36
